# KiCad board uf2-batch-flasher.kicad_pcb (continued)
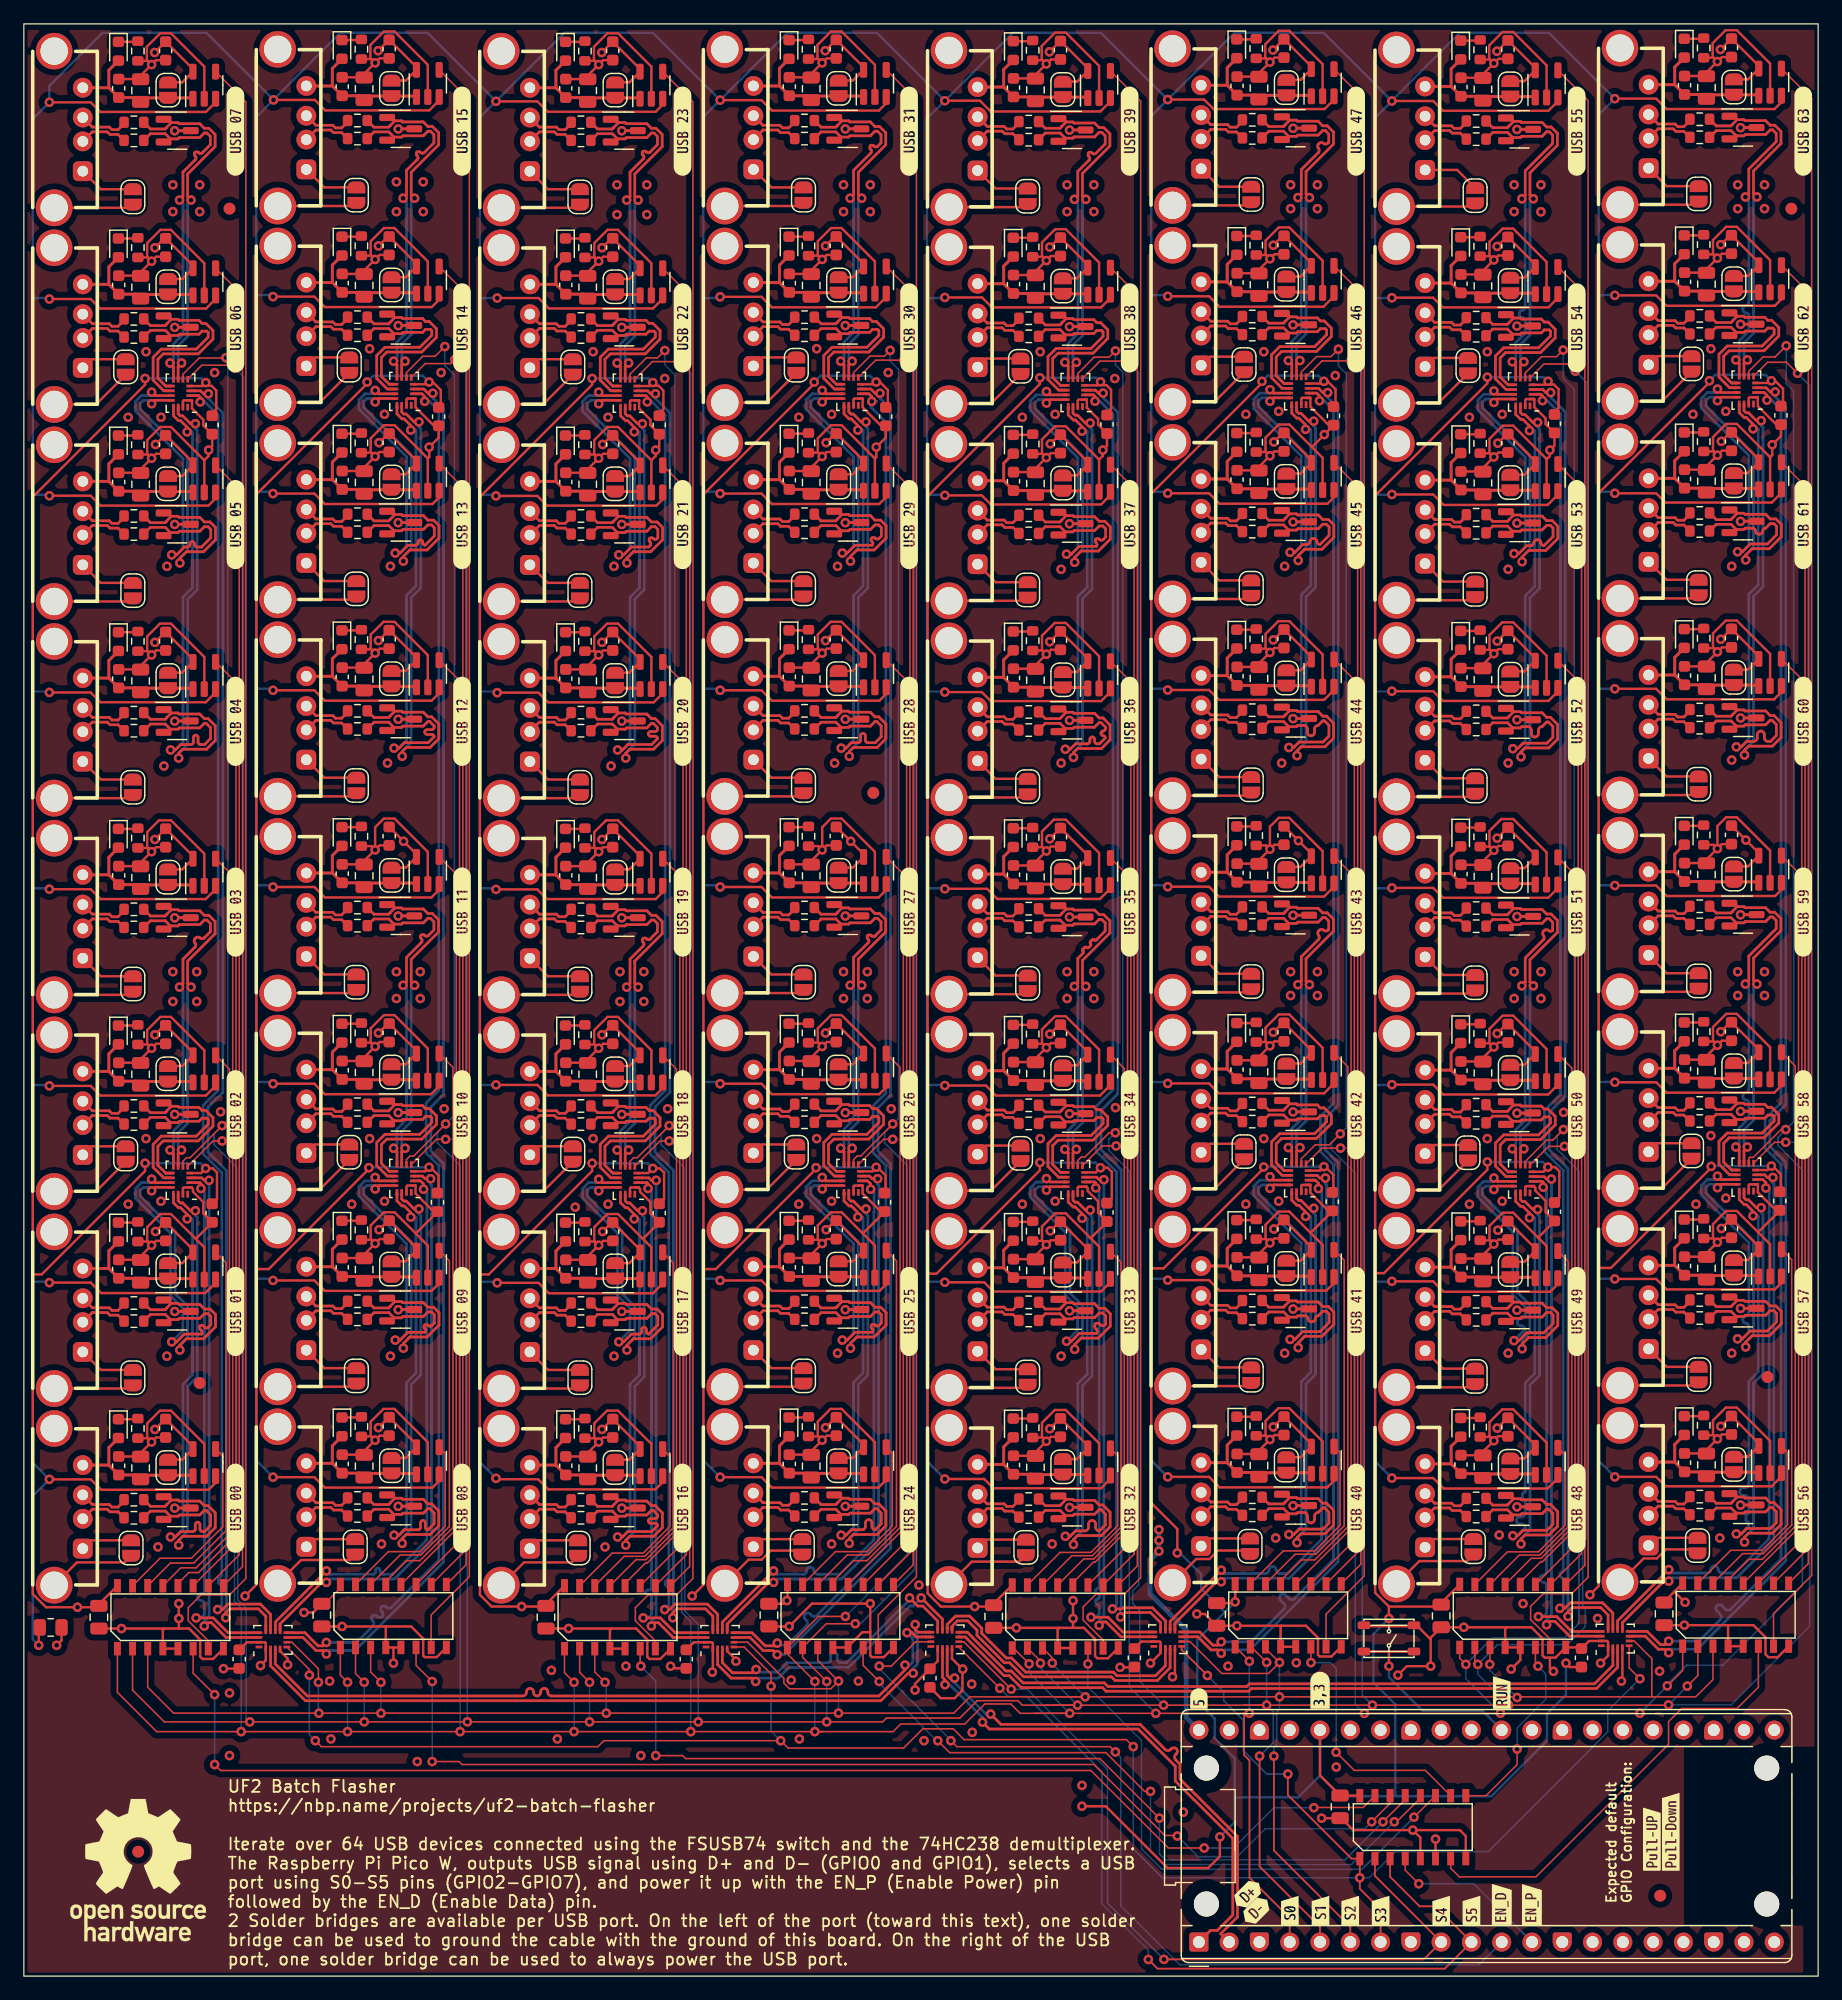
[diagram p0: board, top side]
## Routing (per net, layer and track width the routed paths; a pad name or vN(x,y) marks a point on that pad's centre or on a via; arc(x,y) is an arc through that point) (continued)
/16usb-ports3/4usb-port3/D2+: length 16.2
  Top w0.23: D7602.2 143.37,137.61 143.63,137.87 ; U7801.10 143.29,133.23 143.29,133.23 143.07,133.23 142.18,134.12 142.18,136.04 142.87,136.73 145.8,136.73 146.8,137.73 146.8,138.12 146.69,138.23 146.28,138.23 146.03,137.98 144.38,137.98 144.27,137.87 143.63,137.87 ; R7603.2 141.95,138.3 143.2,138.3 143.63,137.87
/16usb-ports3/4usb-port3/D2-: length 16.5
  Top w0.23: U7801.9 143.29,133.63 143.29,133.63 143.23,133.63 142.58,134.28 142.58,135.88 143.03,136.33 145.96,136.33 147.2,137.57 147.2,138.28 146.59,138.89 146.28,138.89 146.03,139.14 144.36,139.14 144.27,139.23 143.71,139.23 ; 143.71,139.23 143.43,139.51 D7602.1 ; 143.71,139.23 143.31,138.83 143.31,138.82 143.19,138.7 141.95,138.7 R7604.2
/16usb-ports3/4usb-port3/D3+: length 29.7
  Top w0.23: 143.63,154.36 144.27,154.36 144.38,154.47 146.09,154.47 146.47,154.85 146.69,154.85 146.98,154.56 146.98,153.87 144.68,151.57 144.68,149.51 v1(144.4,149.23) ; 143.63,154.36 143.2,154.79 141.95,154.79 R8303.2 ; 143.63,154.36 143.37,154.1 D8302.2 ; v1(143.6,135.56) 143.88,135.28 143.88,134.2 U7801.8
  Bottom w0.23: v1(143.6,135.56) 143.88,135.85 143.88,137.16 144.68,137.96 144.68,139.26 arc(144.61,139.44) 144.43,139.51 arc(144.26,139.58) 144.18,139.76 144.18,139.86 arc(144.26,140.04) 144.43,140.11 arc(144.61,140.18) 144.68,140.36 144.68,148.94 v1(144.4,149.23)
/16usb-ports3/4usb-port3/D3-: length 29.9
  Top w0.23: U7801.7 144.28,134.2 144.28,135.28 v1(144.56,135.56) ; 143.71,155.72 143.43,156 D8302.1 ; 143.71,155.72 144.27,155.72 144.36,155.63 146.09,155.63 146.47,155.25 146.86,155.25 147.38,154.73 147.38,153.71 145.08,151.41 145.08,149.51 v1(145.36,149.23) ; 143.71,155.72 143.31,155.32 143.31,155.31 143.19,155.19 141.95,155.19 R8304.2
  Bottom w0.23: v1(144.56,135.56) 144.28,135.85 144.28,137 145.08,137.8 145.08,148.94 v1(145.36,149.23)
/16usb-ports3/4usb-port3/D+: length 118.2
  Top w0.23: v1(137.96,28.1) 137.68,27.81 137.26,27.81 136.16,28.91 135.07,28.91 135.07,28.91 U6503.8 ; U7801.2 145.67,132.83 145.67,132.83 145.97,132.83 146.21,132.59 v1(146.21,132.19)
  Bottom w0.23: v1(146.21,132.19) 146.61,132.19 147.38,131.42 147.38,73.26 146.05,71.93 146.05,69.44 147.38,68.1 147.38,35 143.15,30.77 arc(142.94,30.68) 142.73,30.77 142.42,31.07 arc(142.21,31.16) 142,31.07 arc(141.91,30.86) 142,30.65 142.3,30.34 arc(142.39,30.13) 142.3,29.92 140.48,28.1 v1(137.96,28.1)
/16usb-ports3/4usb-port3/D-: length 118.2
  Top w0.23: U7801.3 145.67,133.23 145.67,133.23 146.13,133.23 146.49,132.87 v1(146.89,132.87) ; U6503.7 135.07,28.51 135.07,28.52 136,28.52 137.1,27.42 137.68,27.42 v1(137.96,27.13)
  Bottom w0.23: v1(137.96,27.13) 138.25,27.42 140.36,27.42 147.78,34.83 147.78,68.27 146.44,69.6 146.44,71.76 147.78,73.1 147.78,131.58 146.89,132.47 v1(146.89,132.87)
/16usb-ports3/4usb-port3/usb-port0/Conn_D+: length 4.1
  Top w0.23: J7201.3 137.08,105.44 138.34,105.44 138.56,105.22 139.24,105.22 R7203.1
/16usb-ports3/4usb-port3/usb-port0/Conn_D-: length 4.2
  Top w0.23: J7201.2 137.08,105.83 138.5,105.83 138.72,105.61 139.24,105.61 139.74,106.12 R7204.1
/16usb-ports3/4usb-port3/usb-port1/Conn_D+: length 4.1
  Top w0.23: J7701.3 137.08,121.93 138.34,121.93 138.56,121.71 139.24,121.71 R7703.1
/16usb-ports3/4usb-port3/usb-port1/Conn_D-: length 4.2
  Top w0.23: J7701.2 137.08,122.33 138.5,122.33 138.72,122.11 139.24,122.11 139.74,122.61 R7704.1
/16usb-ports3/4usb-port3/usb-port2/Conn_D+: length 4.1
  Top w0.23: R7603.1 139.24,138.24 138.56,138.24 138.34,138.46 137.08,138.46 J7601.3
/16usb-ports3/4usb-port3/usb-port2/Conn_D-: length 4.2
  Top w0.23: R7604.1 139.74,139.14 139.24,138.64 138.72,138.64 138.5,138.85 137.08,138.85 J7601.2
/16usb-ports3/4usb-port3/usb-port3/Conn_D+: length 4.1
  Top w0.23: R8303.1 139.24,154.73 138.56,154.73 138.34,154.95 137.08,154.95 J8301.3
/16usb-ports3/4usb-port3/usb-port3/Conn_D-: length 4.2
  Top w0.23: R8304.1 139.74,155.63 139.24,155.13 138.72,155.13 138.5,155.35 137.08,155.35 J8301.2
/16usb-ports3/D+: length 59
  Top w0.23: U102.8 78.42,28.84 79.14,28.84 79.55,28.43 79.55,28.42 82.38,25.59 82.82,25.59 83.82,24.59 90.63,24.59 90.93,24.29 102.58,24.29 102.8,24.52 131.74,24.52 133.28,26.06 133.28,27.12 133.28,27.12 U6503.2
/16usb-ports3/D-: length 59.6
  Top w0.23: U6503.3 133.68,27.12 133.68,27.12 133.68,25.9 131.9,24.12 102.96,24.12 102.74,23.9 90.77,23.9 90.47,24.2 83.65,24.2 82.65,25.2 82.21,25.2 79.16,28.25 79.16,28.26 78.98,28.44 78.42,28.44 U102.7
/16usb-ports3/EN_00: length 16.4
  Top w0.125: U6501.15 124.44,35.59 127.04,35.59 129.28,37.83 129.28,43.71 U8401.4
/16usb-ports3/EN_01: length 32.1
  Top w0.125: U6501.14 125.44,35.32 127.15,35.32 129.55,37.72 129.55,59.93 U6901.4
/16usb-ports3/EN_02: length 47.8
  Top w0.125: U6501.13 126.43,35.04 127.27,35.04 129.83,37.61 129.83,76.18 U7001.4
/16usb-ports3/EN_03: length 63.6
  Top w0.125: U8001.4 130.1,92.4 130.1,37.49 127.38,34.77 127.23,34.77 125.51,33.05 U6501.12
/16usb-ports3/EN_04: length 79.7
  Top w0.125: U6501.11 130.38,36.45 130.38,108.62 U6601.4
/16usb-ports3/EN_05: length 95.9
  Top w0.125: U6701.4 130.65,124.84 130.65,35.45 U6501.10
/16usb-ports3/EN_06: length 112.1
  Top w0.125: U7901.4 130.93,141.09 130.93,34.46 U6501.9
/16usb-ports3/EN_07: length 137.4
  Top w0.125: U7401.4 131.2,157.31 131.2,33.46 129.83,32.08 127.45,32.08 126.38,31.01 126.38,29.91 128.05,28.24 U6501.7
/16usb-ports3/EN_10: length 16.4
  Top w0.125: U7501.4 147.93,43.96 147.93,37.87 145.78,35.71 143.16,35.71 U6502.15
/16usb-ports3/EN_11: length 32.1
  Top w0.125: U6502.14 144.16,35.44 145.89,35.44 148.28,37.83 148.28,60.1 U8201.4
/16usb-ports3/EN_12: length 48
  Top w0.125: U6502.13 142.94,33.22 144.68,34.96 145.8,34.96 148.58,37.74 148.58,76.33 U6801.4
/16usb-ports3/EN_13: length 63.5
  Top w0.125: U6502.12 148.85,37.59 148.85,92.55 U7301.4
/16usb-ports3/EN_14: length 79.7
  Top w0.125: U6502.11 149.13,36.6 149.13,108.77 U7201.4
/16usb-ports3/EN_15: length 95.9
  Top w0.125: U6502.10 149.4,35.6 149.4,124.99 U7701.4
/16usb-ports3/EN_16: length 112.2
  Top w0.125: U7601.4 149.68,141.24 149.68,34.61 U6502.9
/16usb-ports3/EN_17: length 134.7
  Top w0.125: U8301.4 149.95,157.46 149.95,33.61 146.75,30.41 U6502.7
/D+: length 43.8
  Top w0.23: v1(77.26,24.45) 77.26,24.85 77.05,25.06 77.05,27.06 77.05,27.06 U102.2 ; v1(80.41,21.3) 80.98,20.73 93.47,20.73 96.58,17.61 96.58,16.37 98.11,14.84 98.12,14.84 101.4,11.55 101.4,5.13 100.1,3.84 99.53,3.84 U104.1
  Bottom w0.23: v1(80.41,21.3) 80.41,21.7 77.66,24.45 v1(77.26,24.45)
/D-: length 43.8
  Top w0.23: v1(78.07,25) 77.67,25 77.45,25.22 77.45,27.06 77.45,27.06 U102.3 ; v1(81.09,21.98) 81.95,21.12 93.63,21.12 95.75,19 arc(95.96,18.91) 96.17,19 96.24,19.07 arc(96.46,19.16) 96.67,19.07 arc(96.76,18.86) 96.67,18.65 96.6,18.58 arc(96.51,18.36) 96.6,18.15 96.97,17.78 96.97,16.53 98.27,15.24 98.28,15.24 101.8,11.72 101.8,4.97 100.39,3.56 U104.2
  Bottom w0.23: v1(81.09,21.98) 80.69,21.98 78.07,24.6 v1(78.07,25)
/EN_0: length 112.5
  Top w0.125: v1(108.2,14.13) 108.22,14.15 112.34,14.15 U103.15 ; U203.6 14.2,25.41 v1(16,23.61) ; v1(99,10.75) 96,10.75 89.5,17.25 16.5,17.25 v1(16,17.75)
  Bottom w0.125: v1(99,10.75) 101.47,10.75 104.85,14.13 v1(108.2,14.13) ; v1(16,23.61) v1(16,17.75)
/EN_1: length 96.3
  Top w0.125: v1(96.75,11.75) 96.7,11.8 95.7,11.8 89.75,17.75 36.75,17.75 36.5,18 v1(34.25,18) ; v1(113.05,12.95) 114.59,14.5 U103.14 ; v1(34.25,24.72) 32.9,26.07 U202.6
  Bottom w0.125: v1(113.05,12.95) 112.45,12.35 104.1,12.35 101.78,10.03 98.47,10.03 v1(96.75,11.75) ; v1(34.25,24.72) v1(34.25,18)
/EN_2: length 80.2
  Top w0.125: U2301.6 51.7,26.05 v1(51.75,26) ; v1(114,12.95) 115.87,14.81 U103.13 ; v1(53,18.5) 55.25,18.5 55.5,18.25 90.25,18.25 v1(95.25,13.25)
  Bottom w0.125: v1(53,18.5) 53,24.75 v1(51.75,26) ; v1(114,12.95) 110.8,9.75 95.75,9.75 95.25,10.25 v1(95.25,13.25)
/EN_3: length 60.7
  Top w0.125: v1(94.5,15.5) 94,15.5 90.75,18.75 77.66,18.75 v1(76.66,19.75) ; v1(71.75,24.72) 70.4,26.07 U2302.6 ; U103.12 117.13,14.94 115.15,12.95 v1(114.95,12.95)
  Bottom w0.125: v1(76.66,19.75) 76.56,19.75 71.75,24.56 v1(71.75,24.72) ; v1(114.95,12.95) 111.36,9.36 95.63,9.36 94.5,10.49 v1(94.5,15.5)
/EN_4: length 46.6
  Top w0.125: v1(116.6,13.33) 116.6,13.34 U103.11 ; U4401.6 89.25,26.19 v1(89.25,26.19)
  Bottom w0.125: v1(116.6,13.33) 112.23,8.96 95.45,8.96 93.74,10.67 93.74,19.76 89.25,24.25 v1(89.25,26.19)
/EN_5: length 21.8
  Top w0.125: v1(110.07,18.78) 111.59,17.26 117.56,17.26 U103.10 ; v1(107.95,26.3) U4402.6
  Bottom w0.125: v1(110.07,18.78) 110.07,25.81 109.58,26.3 v1(107.95,26.3)
/EN_6: length 16.6
  Top w0.125: U103.9 122.64,15.14 125.25,17.75 v1(125.25,19.05) ; v1(127,26) 126.78,26.22 U6501.6
  Bottom w0.125: v1(125.25,19.05) 125.25,20.82 127.65,23.22 127.65,25.35 v1(127,26)
/EN_7: length 38.1
  Top w0.125: U103.7 119.68,9.06 120.4,8.33 126.83,8.33 137.95,19.45 137.95,21.35 139.05,22.45 143.7,22.45 145.48,24.23 U6502.6
/SEL0: length 1223.7
  Top w0.125: U801.6 13.34,134.36 14.71,135.72 16.92,135.72 v1(16.95,135.75) ; U2301.1 45.35,25.45 v1(46.15,24.65) ; 69.59,68.07 69.59,68.48 69.9,68.79 70.2,68.79 72.88,71.47 ; U202.1 26.55,25.25 v1(27.15,24.65) ; 102.35,22.04 84.75,22.04 ; 102.35,22.04 135.54,22.04 v1(135.55,22.05) ; 102.35,22.04 102.78,22.04 v1(102.79,22.05) ; 50.84,133.94 50.84,134.36 52.21,135.73 53.14,135.73 v1(53.76,136.35) ; 32.09,68.07 32.09,68.48 32.4,68.79 32.7,68.79 35.38,71.47 ; U301.6 13.34,68.34 13.65,68.65 13.95,68.65 16.63,71.33 v1(16.63,71.34) ; v1(72.66,136.36) 72.18,135.88 70.97,135.88 69.59,134.5 69.59,134.08 ; v1(91.56,136.32) 91.03,135.79 89.77,135.79 88.4,134.42 88.4,134 ; v1(102.79,26.41) 102.79,26.44 U4402.1 ; U5201.6 107.15,68.55 108.32,69.72 109.49,69.72 v1(110.42,70.65) ; U203.1 7.85,23.8 11.14,20.51 67.03,20.51 ; v1(66.35,24.72) 64.05,27.02 U2302.1 64.05,27.57 66.65,30.17 v1(68.91,30.17) ; 84.75,22.04 83.57,22.04 82.78,22.83 80.6,22.83 78.92,21.15 73.55,21.15 72.91,20.51 67.03,20.51 ; 84.75,22.04 87.72,22.04 v1(87.72,22.05) ; v1(147.78,71.01) 147.39,71.01 145.06,68.68 144.76,68.68 144.68,68.59 144.68,68.18 ; 67.03,20.51 v1(66.35,20.51) ; 107.15,134.14 107.15,134.56 108.43,135.84 109.64,135.84 v1(110.26,136.46) ; v1(129.13,71.01) 128.24,70.12 127.72,70.12 125.93,68.33 U8501.6 ; 125.93,134.05 125.93,134.47 127.3,135.83 128.55,135.83 v1(129.11,136.39) ; 32.09,134.08 32.09,134.5 33.46,135.86 34.49,135.86 v1(35.31,136.68) ; v1(120.95,26.15) 120.43,26.67 U6501.1 ; v1(84.32,26.2) 83,27.52 U4401.1 ; U4801.6 88.4,68.4 88.71,68.71 89.01,68.71 91.04,70.74 v1(91.55,70.74) ; U6502.1 139.13,25.63 v1(137.85,24.35) ; 144.68,134.19 144.68,134.61 145.88,135.81 146.88,135.81 v1(147.82,136.75) ; 50.84,67.93 50.84,68.34 51.15,68.65 51.45,68.65 54.13,71.33
  Top w0.15: 102.35,22.04 102.35,18.55 102.8,18.1 102.8,8.26 106.18,4.88 U104.4
  Bottom w0.125: v1(55.94,20.51) 55.93,20.52 55.93,29.75 55.17,30.51 55.17,35.93 55.38,36.14 55.38,67.82 53.45,69.75 53.45,70.65 54.61,71.81 54.61,134.31 53.76,135.16 v1(53.76,136.35) ; v1(147.82,136.75) 147.82,133.59 148.44,132.97 148.44,71.67 147.13,70.36 147.13,69.67 149.18,67.62 149.18,32.75 142.52,26.09 139.47,26.09 137.85,24.47 v1(137.85,24.35) v1(135.55,22.05) ; v1(129.11,136.39) 129.11,134.02 130.03,133.1 130.03,71.92 128.61,70.5 128.61,69.34 130.44,67.51 130.44,29.59 129.21,28.36 123.16,28.36 v1(120.95,26.15) 120.95,24.95 v1(123.85,22.05) ; v1(91.56,136.32) 91.56,135.15 92.17,134.54 92.17,71.37 91,70.2 91,69.26 92.72,67.53 92.72,24.26 v1(94.94,22.05) ; v1(18.23,20.51) 18.23,30.87 17.67,31.43 17.67,35.69 17.85,35.87 17.85,67.85 15.95,69.75 15.95,70.65 17.11,71.81 17.11,135.59 v1(16.95,135.75) ; v1(68.91,30.17) 74.1,35.36 74.1,67.99 72.2,69.89 72.2,70.79 73.36,71.95 73.36,134.77 72.66,135.47 v1(72.66,136.36) ; v1(87.72,22.05) 84.32,25.45 v1(84.32,26.2) ; v1(36.59,20.51) 36.59,67.99 34.69,69.89 34.69,70.79 36.11,72.21 36.11,134.29 35.31,135.09 v1(35.31,136.68) ; v1(66.35,24.72) v1(66.35,20.51) ; v1(110.26,136.46) 110.26,135.07 110.92,134.41 110.92,71.15 109.67,69.9 109.67,69.35 111.66,67.36 111.66,22.82 v1(112.44,22.04) ; v1(46.15,24.65) v1(46.15,20.51) ; v1(27.15,24.65) v1(27.15,20.51) ; v1(102.79,22.05) v1(102.79,26.41)
  vias: v1(35.38,71.48) v1(54.13,71.34) v1(72.88,71.48)
/SEL1: length 1207.5
  Top w0.125: v1(130.13,134.62) 129.53,135.22 127.5,135.22 126.33,134.05 ; 107.55,134.14 108.89,135.48 v1(111.31,135.48) ; v1(17.73,134.85) 17.47,135.11 14.92,135.11 U801.5 ; v1(104.24,22.73) 102.34,22.73 ; 102.34,22.73 85.74,22.73 ; 102.34,22.73 137.93,22.73 v1(137.95,22.75) ; v1(28.55,24.65) 27.82,25.38 U202.2 ; 85.74,22.73 83.75,22.73 83.37,23.1 79.97,23.1 78.51,21.65 72.35,21.65 72.03,21.33 67.68,21.33 ; 85.74,22.73 88.38,22.73 v1(88.38,22.73) ; v1(16.63,70.05) 15.87,70.05 U301.5 ; 107.55,68.13 108.87,69.45 v1(110.44,69.45) ; v1(104.24,26.32) 102.94,27.62 U4402.2 ; v1(92.51,135.46) 90.26,135.46 88.8,134 ; v1(35.38,70.19) 34.61,70.19 32.49,68.07 ; U4801.5 90.45,69.63 v1(91.61,69.63) ; v1(36.15,135.6) 35.8,135.25 33.66,135.25 32.49,134.08 ; v1(67.34,21.33) 67.68,21.33 ; 67.68,21.33 11.78,21.33 9.12,23.99 U203.2 ; v1(148.77,134.44) 147.85,135.36 146.25,135.36 145.08,134.19 ; 69.99,68.07 72.11,70.19 v1(72.88,70.19) ; v1(129.22,69.6) 127.89,69.6 126.33,68.04 ; 69.99,134.08 71.45,135.54 v1(73.81,135.54) ; 145.08,68.18 146.84,69.94 v1(147.78,69.94) ; U4401.2 85.27,26.43 v1(85.27,26.25) ; 51.24,133.94 52.72,135.42 v1(54.95,135.42) ; v1(69.74,29.56) 67.31,29.56 65.32,27.57 U2302.2 65.32,26.74 v1(67.34,24.72) ; U2301.2 46.62,25.48 v1(47.45,24.65) ; U6501.2 121.7,26.4 v1(121.95,26.15) ; U6502.2 140.4,25.2 v1(139.53,24.32) ; v1(54.13,70.05) 53.36,70.05 51.24,67.93
  Top w0.15: v1(103.65,18.45) 103.65,9.2 108.72,4.13 U104.5
  Bottom w0.125: 18.45,70.05 18.45,36 17.94,35.49 17.94,31.56 18.64,30.86 18.64,21.64 v1(18.95,21.33) ; 18.45,70.05 18.45,134.13 v1(17.73,134.85) ; 18.45,70.05 v1(16.63,70.05) ; v1(54.95,135.42) 55.95,134.42 55.95,70.05 ; v1(113.11,22.73) 112.26,23.58 112.26,69.46 ; v1(111.31,135.48) 112.26,134.53 112.26,69.46 ; 35.37,70.19 37.19,70.19 ; 37.19,70.19 37.19,21.34 v1(37.2,21.33) ; 37.19,70.19 37.19,134.56 v1(36.15,135.6) ; v1(28.55,24.65) v1(28.55,21.33) ; 54.13,70.05 55.95,70.05 ; 55.95,70.05 55.95,36.29 55.44,35.78 55.44,30.63 56.57,29.5 v1(56.57,21.33) ; v1(148.77,134.44) 149.78,133.43 149.78,69.94 ; v1(104.24,26.32) v1(104.24,22.73) 104.8,22.17 104.8,19.6 v1(103.65,18.45) ; v1(139.53,24.32) v1(137.95,22.75) 143.18,22.75 149.78,29.35 149.78,69.94 ; 131.04,69.6 131.04,133.71 v1(130.13,134.62) ; 131.04,69.6 131.04,36.7 130.75,36.41 130.75,31.07 130.95,30.87 130.95,29.3 129.45,27.8 123.6,27.8 v1(121.95,26.15) 121.95,25.33 v1(124.54,22.74) ; 131.04,69.6 131.04,69.6 v1(129.22,69.6) ; v1(73.81,135.54) 74.7,134.65 74.7,70.19 ; 149.78,69.94 v1(147.78,69.94) ; v1(95.6,22.73) 93.6,24.73 93.6,30.66 93,31.26 93,32.3 93.51,32.81 93.51,69.63 ; v1(67.34,24.72) v1(67.34,21.33) ; 74.7,70.19 74.7,34.09 70.17,29.56 v1(69.74,29.56) ; 74.7,70.19 72.88,70.19 ; v1(110.44,69.45) 112.25,69.45 112.26,69.46 ; v1(91.61,69.63) 93.51,69.63 93.51,69.63 ; v1(47.45,24.65) v1(47.45,21.33) ; v1(92.51,135.46) 93.51,134.46 93.51,69.63 ; v1(85.27,26.25) 85.27,25.84 v1(88.38,22.73)
/SEL2: length 232.4
  Top w0.125: 136.55,23.43 136.55,26.63 135.07,28.11 U6503.6 ; 136.55,23.43 86.65,23.43 ; 136.55,23.43 140.23,23.43 141.67,24.87 U6502.3 ; v1(29.95,24.65) 29.09,25.51 U202.3 ; U2302.3 66.59,26.49 v1(68.33,24.75) 67.69,24.11 64.22,24.11 63.75,24.58 63.75,24.97 60.71,28.01 U2303.6 ; U201.6 22.48,28.01 24.71,25.78 v1(24.71,24.65) ; v1(86.26,26.26) 86.26,26.71 U4401.3 ; U203.3 10.39,24.23 12.56,22.06 68.07,22.06 ; 86.65,23.43 79.36,23.43 77.99,22.06 68.07,22.06 ; 86.65,23.43 v1(89.02,23.43) ; v1(48.75,24.65) 47.89,25.51 U2301.3 ; U4402.3 104.14,27.49 v1(105.32,26.31) 104.4,25.39 100.48,25.39 97.81,28.06 U4403.6 ; U6501.3 122.97,26.17 v1(122.95,26.15) ; 68.07,22.06 v1(68.33,22.06) ; 68.33,21.98 68.31,21.96
  Top w0.15: U104.6 111.26,4.13 104.85,10.54 v1(104.85,18.45)
  Bottom w0.125: v1(68.33,24.75) v1(68.33,22.06) ; v1(89.02,23.43) 86.26,26.19 v1(86.26,26.26) ; v1(104.85,18.45) 104.85,19.17 105.08,19.4 105.08,22.14 105.32,22.38 v1(105.32,23.43) v1(105.32,26.31) ; v1(48.75,24.65) 48.85,24.55 v1(48.85,22.06) ; v1(24.75,22.05) 24.71,22.09 v1(24.71,24.65) ; v1(125.25,23.37) 122.95,25.67 v1(122.95,26.15) ; v1(29.95,24.65) v1(29.95,22.05)
/SEL3: length 185.7
  Top w0.125: U2303.5 60.42,27.61 62.67,25.35 v1(62.67,24.32) ; U201.5 23.95,25.72 v1(23.95,25.25) ; v1(24.45,19.75) 24.95,19.25 48.15,19.25 48.65,19.75 63.48,19.75 64.1,19.14 73.8,19.14 75.41,20.75 77.95,20.75 78.86,19.84 92.47,19.84 v1(93.06,19.25) ; v1(135.55,24.95) 134.65,25.85 U6503.5
  Top w0.15: v1(99.27,25.22) 97.12,27.37 U4403.5 ; v1(106.02,16.95) 106.02,15.2 111.36,9.86 U103.1 112.06,7.34 113.8,5.59 U104.7
  Bottom w0.125: v1(63.48,19.75) 62.67,20.56 v1(62.67,24.32) ; v1(93.06,19.25) 93.06,10.68 95.49,8.25 v1(112.05,8.25) 112.85,8.25 115.05,10.45 122.82,10.45 132.85,20.48 132.85,22.25 v1(135.55,24.95) ; v1(23.95,25.25) 23.95,20.25 v1(24.45,19.75)
  Bottom w0.15: v1(106.02,16.95) 104.27,16.95 102.28,18.94 102.28,21.47 100.64,23.11 100.64,23.85 v1(99.27,25.22)
/SEL4: length 67.9
  Top w0.125: U102.6 78.83,28.05 v1(82.81,24.07)
  Top w0.15: U103.2 113.32,8.41 U104.9 117.42,1.41 v1(95.63,1.41)
  Bottom w0.125: v1(82.81,24.07) 84.15,24.07 90.89,17.33 90.89,6.14 v1(95.63,1.41)
/SEL5: length 72.7
  Top w0.125: U102.5 78.42,27.59 v1(81.86,24.15)
  Top w0.15: v1(94.32,1.4) 95.09,0.63 119.19,0.63 U104.10 118.42,5.86 117.07,5.86 114.59,8.34 U103.3
  Bottom w0.125: v1(94.32,1.4) 94.32,2.17 90.43,6.06 90.43,17.14 84.11,23.46 82.55,23.46 v1(81.86,24.15)
/~{En_Data}: length 76
  Top w0.125: v1(77.75,19.75) 78.25,19.25 91.12,19.25 v1(91.56,18.81) ; v1(71.75,26) 72.75,26 74.8,28.05 U102.15
  Bottom w0.125: U104.11 122.05,0.95 96.95,0.95 92,5.9 92,18.37 v1(91.56,18.81) ; v1(77.75,19.75) 77.75,19.8 71.75,25.8 v1(71.75,26)
/~{En_Power}: length 14.1
  Top w0.125: U103.4 115.87,8.88 v1(117,7.75)
  Bottom w0.15: v1(117,7.75) 121.61,7.75 U104.12
USB_OVER_CURRENT_SHORT: length 2143.8
  Top w0.2: 53.64,141.03 53.64,140.75 52.76,139.88 44.04,139.88 43.17,140.75 v1(39.7,140.75) ; v1(77.25,140.8) 80.37,140.8 81.21,139.97 90.35,139.97 91.14,140.75 U5601.3 ; 53.64,107.93 53.64,107.65 52.83,106.84 43.98,106.84 43.17,107.65 v1(39.7,107.65) ; 53.54,42.03 53.54,41.39 52.98,40.83 43.99,40.83 43.14,41.68 39.68,41.68 v1(39.6,41.75) ; v1(77.25,91.2) 80.8,91.2 81.64,90.35 90.26,90.35 91.14,91.23 U6101.3 ; 72.34,157.63 72.34,157.1 71.72,156.48 62.74,156.48 61.87,157.35 v1(58.4,157.35) ; 109.89,42.16 109.89,41.56 109.33,41 100.29,41 99.41,41.88 v1(95.95,41.88) ; v1(77.25,41.7) 80.55,41.7 81.32,40.92 90.35,40.92 91.14,41.71 91.14,41.99 ; v1(1.25,27.75) 1.25,29.16 R101.2 ; 109.89,58.66 109.89,58.14 109.25,57.5 100.29,57.5 99.41,58.38 v1(95.95,58.38) ; 34.84,58.63 34.84,58.11 34.21,57.48 25.24,57.48 24.37,58.35 v1(20.9,58.35) ; v1(2.14,58.17) 5.61,58.17 6.48,57.29 15.2,57.29 15.43,57.52 15.45,57.52 15.68,57.75 15.68,57.77 16.08,58.17 16.08,58.45 ; 16.08,74.95 16.08,74.67 15.27,73.86 6.42,73.86 5.61,74.67 v1(2.14,74.67) ; v1(20.9,124.35) 24.37,124.35 25.24,123.48 34.28,123.48 34.84,124.04 34.84,124.63 ; 109.89,108.16 109.89,107.88 109.06,107.05 100.24,107.05 99.41,107.88 v1(95.95,107.88) ; v1(39.6,157.25) 43.07,157.25 43.94,156.38 53,156.38 53.54,156.92 53.54,157.53 ; 109.89,75.16 109.89,74.88 109.06,74.05 100.24,74.05 99.41,74.88 v1(95.95,74.88) ; 128.69,108.06 128.69,107.78 127.87,106.96 119.03,106.96 118.21,107.78 v1(114.75,107.78) ; 147.39,91.76 147.39,91.1 146.89,90.6 137.79,90.6 136.91,91.48 v1(133.45,91.48) ; 16.08,124.45 16.08,123.94 15.48,123.34 6.44,123.34 5.61,124.17 v1(2.14,124.17) ; v1(133.45,41.88) 136.91,41.88 137.7,41.09 146.6,41.09 147.39,41.88 147.39,42.16 ; v1(39.6,124.15) 43.07,124.15 43.88,123.34 53.05,123.34 53.54,123.83 53.54,124.43 ; v1(58.4,140.85) 61.87,140.85 62.74,139.98 71.46,139.98 72.34,140.85 72.34,141.13 ; 128.69,91.56 128.69,91.28 127.86,90.45 119.04,90.45 118.21,91.28 v1(114.75,91.28) ; U6201.3 109.89,157.39 109.09,156.6 99.8,156.6 99,157.4 v1(95.95,157.4) ; U5501.3 91.14,124.22 90.35,123.44 81.11,123.44 80.35,124.2 v1(77.25,124.2) ; 147.39,58.76 147.39,58.13 146.86,57.6 137.79,57.6 136.91,58.48 v1(133.45,58.48) ; v1(114.75,140.78) 118.21,140.78 119.02,139.97 127.88,139.97 128.69,140.78 128.69,141.06 ; U6001.3 91.14,74.74 90.26,73.86 81.54,73.86 80.7,74.7 v1(77.25,74.7) ; 128.69,42.06 128.69,41.78 127.81,40.9 119.09,40.9 118.21,41.78 v1(114.75,41.78) ; v1(20.9,74.85) 24.37,74.85 25.24,73.98 34.17,73.98 34.84,74.65 34.84,75.13 ; v1(20.94,157.37) 24.41,157.37 25.28,156.49 34,156.49 34.88,157.37 34.88,157.65 ; U701.3 16.08,91.17 15.25,90.34 6.44,90.34 5.61,91.17 v1(2.14,91.17) ; v1(77.25,58.2) 80.55,58.2 81.32,57.42 90.35,57.42 91.14,58.21 U6301.3 ; v1(58.4,58.35) 61.87,58.35 62.74,57.48 71.77,57.48 72.34,58.05 72.34,58.63 ; v1(39.6,74.75) 43.07,74.75 43.94,73.88 52.98,73.88 53.54,74.44 53.54,75.03 ; 53.64,58.43 53.64,58.15 52.76,57.28 44.04,57.28 43.17,58.15 v1(39.7,58.15) ; 34.84,141.15 34.84,140.62 34.21,139.99 25.24,139.99 24.37,140.87 v1(20.9,140.87) ; v1(2.14,41.67) 5.61,41.67 6.48,40.79 15.49,40.79 16.08,41.38 16.08,41.95 ; v1(133.45,157.48) 136.91,157.48 137.79,156.6 146.84,156.6 147.39,157.15 147.39,157.76 ; 128.69,157.56 128.69,157.28 127.87,156.46 119.03,156.46 118.21,157.28 v1(114.75,157.28) ; v1(95.95,124.38) 99.41,124.38 100.29,123.5 109.34,123.5 109.89,124.05 109.89,124.66 ; 16.08,157.45 16.08,157.17 15.27,156.36 6.42,156.36 5.61,157.17 v1(2.14,157.17) ; 109.89,91.66 109.89,91.38 109.06,90.55 100.24,90.55 99.41,91.38 v1(95.95,91.38) ; U1001.3 16.08,107.67 15.26,106.85 6.43,106.85 5.61,107.67 v1(2.14,107.67) ; 72.34,75.13 72.34,74.57 71.75,73.98 62.74,73.98 61.87,74.85 v1(58.4,74.85) ; v1(20.9,91.35) 24.37,91.35 25.24,90.48 34.19,90.48 34.84,91.13 34.84,91.63 ; 147.39,75.26 147.39,74.67 146.82,74.1 137.79,74.1 136.91,74.98 v1(133.45,74.98) ; v1(58.4,124.35) 61.87,124.35 62.74,123.48 71.75,123.48 72.34,124.07 72.34,124.63 ; 147.39,108.26 147.39,107.68 146.81,107.1 137.79,107.1 136.91,107.98 v1(133.45,107.98) ; v1(39.6,91.15) 43.07,91.15 43.88,90.34 53,90.34 53.54,90.88 53.54,91.43 ; 34.84,108.13 34.84,107.62 34.2,106.98 25.24,106.98 24.37,107.85 v1(20.9,107.85) ; 72.34,42.13 72.34,41.64 71.68,40.98 62.74,40.98 61.87,41.85 v1(58.4,41.85) ; v1(77.25,157.3) 80.2,157.3 81.1,156.4 90.29,156.4 91.14,157.24 U6401.3 ; v1(114.75,124.28) 118.21,124.28 119.09,123.4 127.81,123.4 128.69,124.28 128.69,124.56 ; v1(58.4,107.85) 61.87,107.85 62.74,106.98 71.76,106.98 72.34,107.56 72.34,108.13 ; v1(77.25,107.7) 80.35,107.7 81.11,106.94 90.35,106.94 91.14,107.73 U5101.3 ; v1(114.75,74.78) 118.21,74.78 119.04,73.95 127.86,73.95 128.69,74.78 128.69,75.06 ; 128.69,58.56 128.69,58.07 128.02,57.4 119.09,57.4 118.21,58.28 v1(114.75,58.28) ; v1(58.4,91.35) 61.87,91.35 62.74,90.48 71.7,90.48 72.34,91.12 72.34,91.63 ; v1(95.95,140.9) 99.41,140.9 100.29,140.02 109.01,140.02 109.89,140.9 U5801.3 ; v1(133.45,140.98) 136.91,140.98 137.79,140.1 146.86,140.1 147.39,140.63 147.39,141.26 ; v1(20.9,41.85) 24.37,41.85 25.24,40.98 34.28,40.98 34.84,41.54 34.84,42.13 ; 147.39,124.66 147.39,124.38 146.61,123.6 137.69,123.6 136.91,124.38 v1(133.45,124.38) ; 16.08,140.95 16.08,140.67 15.28,139.87 6.41,139.87 5.61,140.67 v1(2.14,140.67)